# Altium PCB PCB2.PcbDoc (part 9 of 9)
Units mil, origin at the board's own origin, x right, y up, seen from the top; angles counter-clockwise.
Board outline 7580 x 7350 mil, 6 copper layers (Signal 1, Ground 1, 2V5 and 0V6, n2V5 and n0V6, Ground 2, Signal 2), stack 52.268 mil thick; 572 components, 533 nets, 2081 pads, 679 vias.
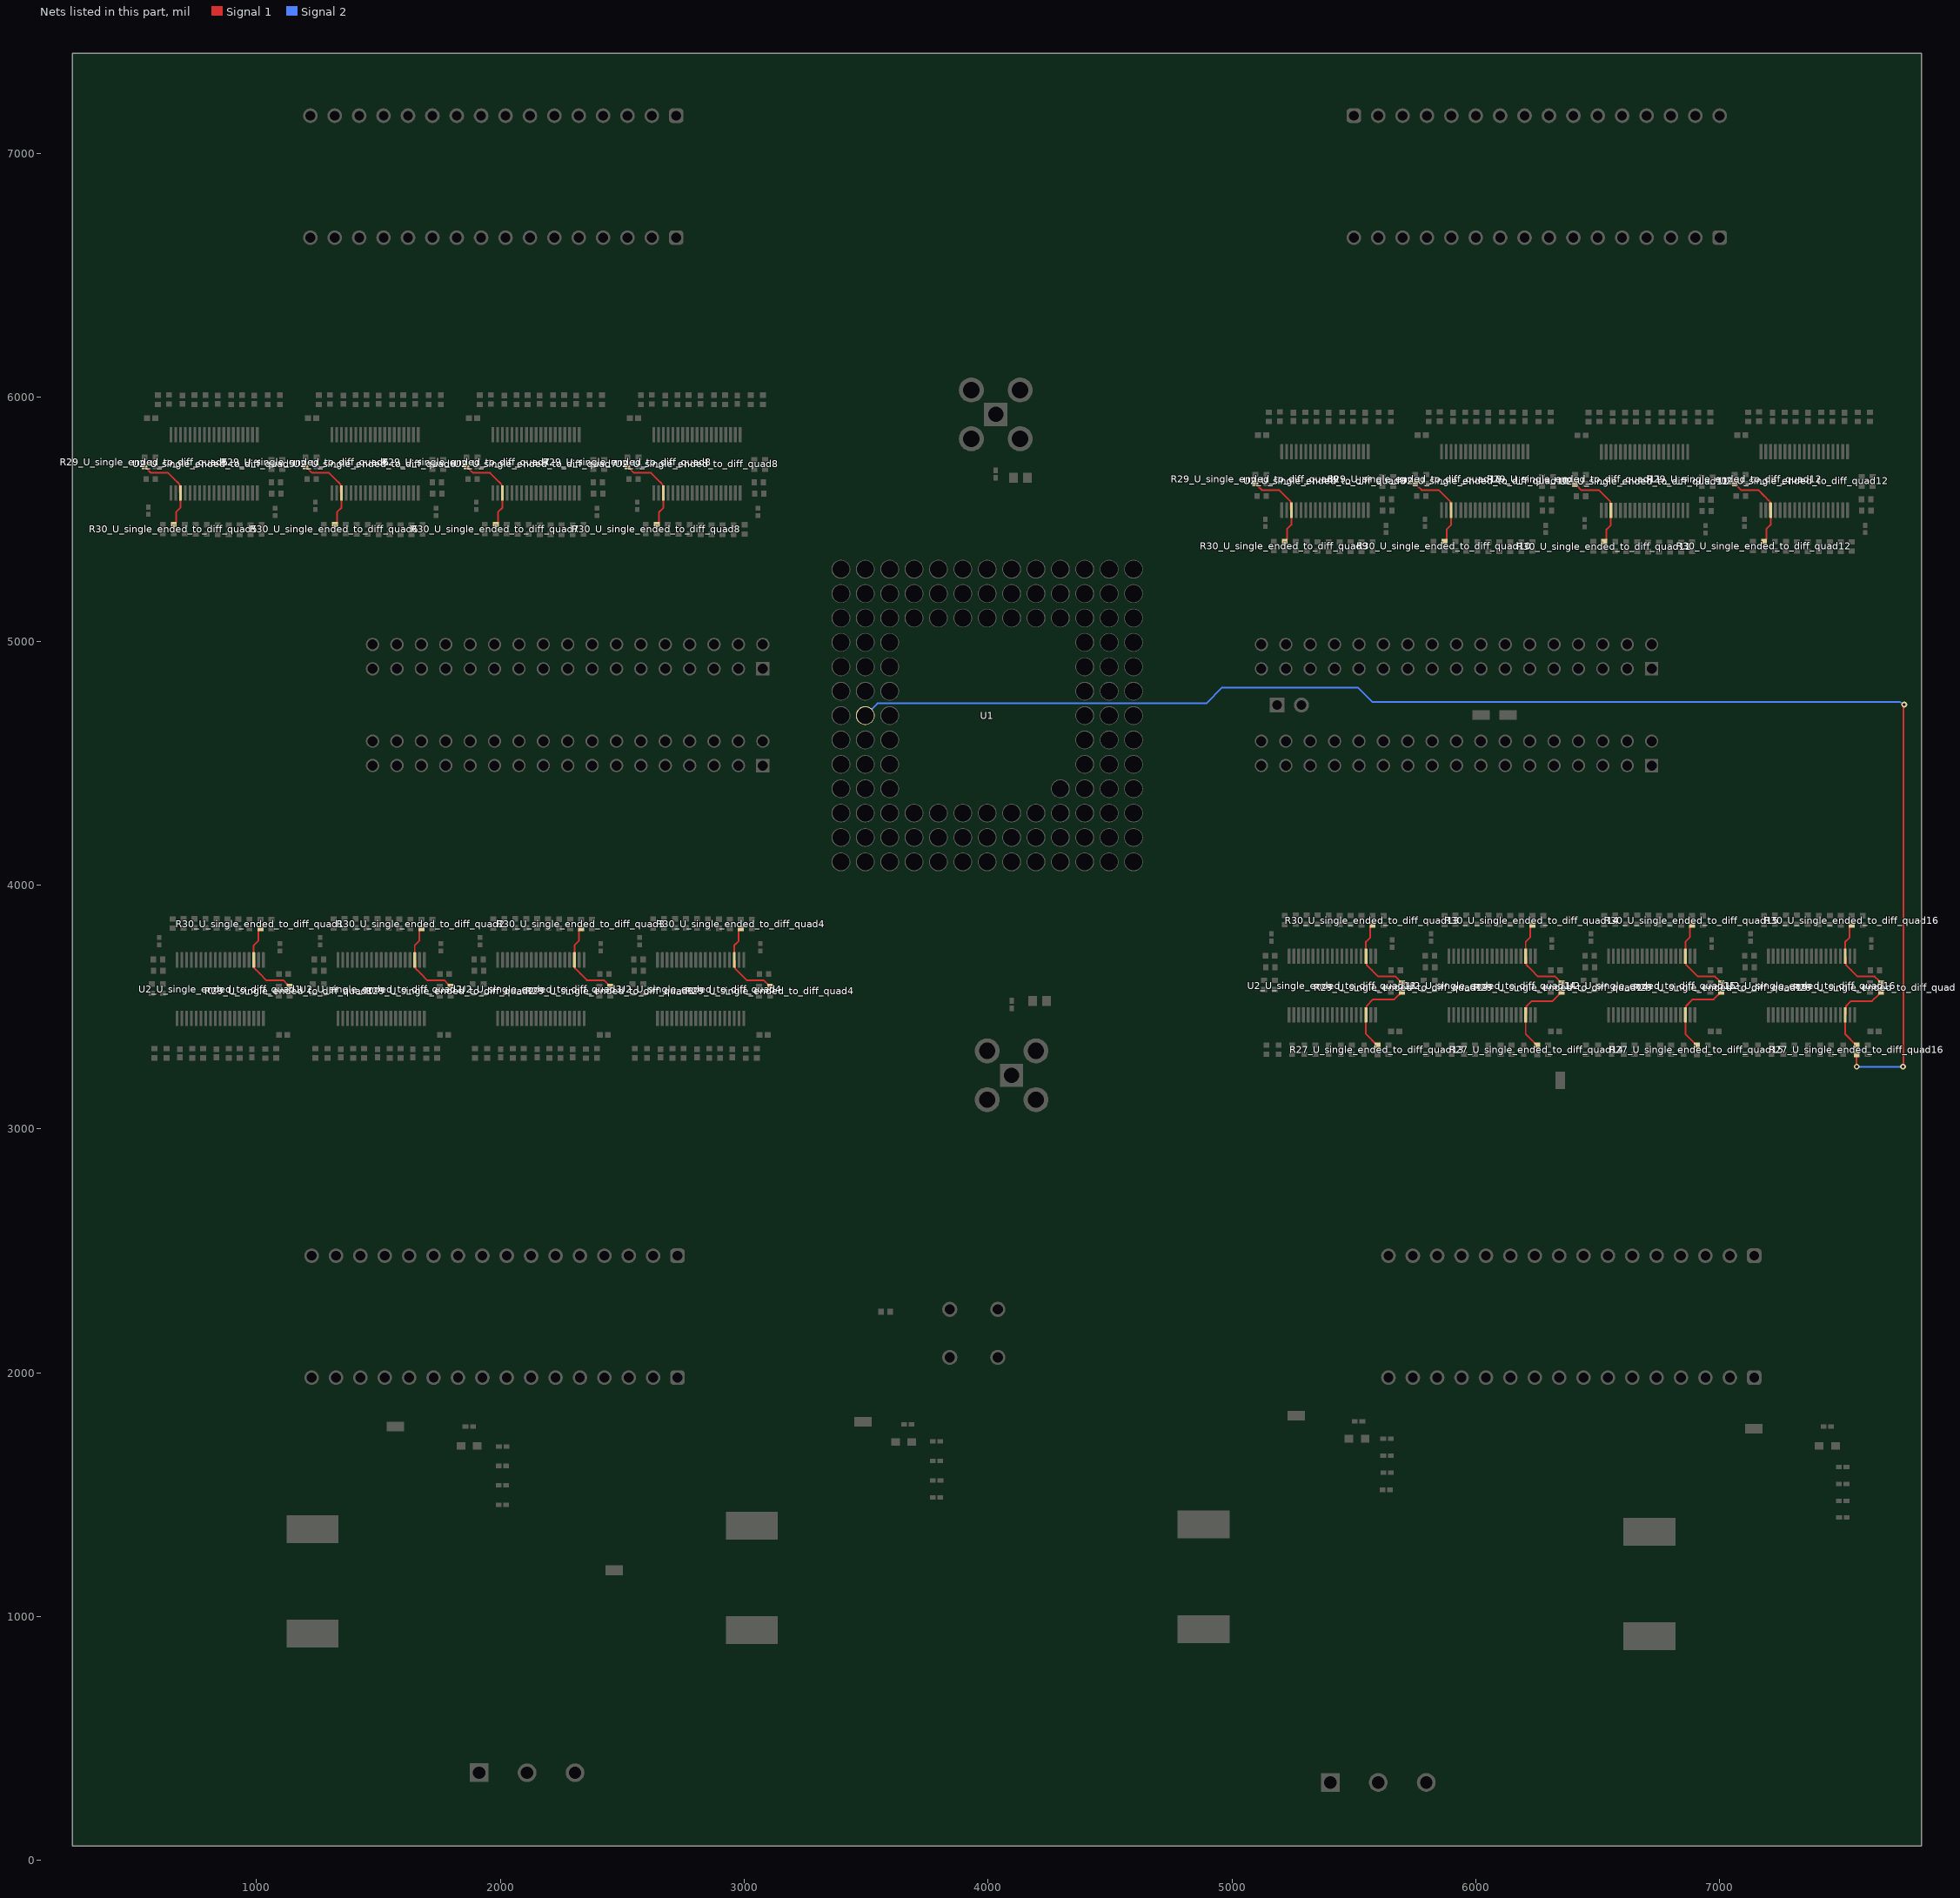
[diagram p13: the nets of this part, all layers, seen from the top]

## Via types
v1: diameter 24, hole 12, Signal 1 to Signal 2, tented both sides, 679 vias

## Nets (pads, with @x,y where several pads share a name; then routed paths per layer and width w, separated by ;. In a path a pad name is that pad's centre, name@x,y a point inside that pad or via, vN(x,y) a via of type N, cw(c..) or ccw(c..) an arc to the next point about the centre after c; other vN are vias at no path point) (continued)
NetR27_U_single_ended_to_diff_quad13_2: R27_U_single_ended_to_diff_quad13.2 R29_U_single_ended_to_diff_quad13.1 U2_U_single_ended_to_diff_quad13.17 | length 350.6
  Signal 1 w7: R27_U_single_ended_to_diff_quad13.2@5596.68,3342.95 5595.5,3342.95 5549.48,3388.97 U2_U_single_ended_to_diff_quad13.17@5549.48,3467.72 5551.76,3470 5551.76,3503.66 5579.31,3531.21 5665.61,3531.21 5695.5,3561.1 R29_U_single_ended_to_diff_quad13.1@5696.68,3561.1
NetR27_U_single_ended_to_diff_quad14_2: R27_U_single_ended_to_diff_quad14.2 R29_U_single_ended_to_diff_quad14.1 U2_U_single_ended_to_diff_quad14.17 | length 350.6
  Signal 1 w7: R27_U_single_ended_to_diff_quad14.2@6251.68,3342.95 6250.5,3342.95 6204.48,3388.97 U2_U_single_ended_to_diff_quad14.17@6204.48,3467.72 6207.26,3470.5 6207.26,3502.63 6212.94,3508.31 6212.94,3508.43 6228.73,3524.21 6258.97,3524.21 6259.1,3524.07 6314.66,3524.07 6342.48,3551.9 6342.48,3553.08 6350.5,3561.1 R29_U_single_ended_to_diff_quad14.1@6351.68,3561.1
NetR27_U_single_ended_to_diff_quad15_2: R27_U_single_ended_to_diff_quad15.2 R29_U_single_ended_to_diff_quad15.1 U2_U_single_ended_to_diff_quad15.17 | length 350.6
  Signal 1 w7: R27_U_single_ended_to_diff_quad15.2@6906.68,3342.95 6905.5,3342.95 6859.48,3388.97 U2_U_single_ended_to_diff_quad15.17@6859.48,3467.72 6861.76,3470 6861.76,3503.66 6889.31,3531.21 6975.61,3531.21 7005.5,3561.1 R29_U_single_ended_to_diff_quad15.1@7006.68,3561.1
NetR27_U_single_ended_to_diff_quad16_2: R27_U_single_ended_to_diff_quad16.2 R29_U_single_ended_to_diff_quad16.1 U2_U_single_ended_to_diff_quad16.17 | length 350.6
  Signal 1 w7: R27_U_single_ended_to_diff_quad16.2@7561.68,3342.95 7560.5,3342.95 7514.48,3388.97 U2_U_single_ended_to_diff_quad16.17@7514.48,3467.72 7517.26,3470.5 7517.26,3502.63 7522.94,3508.31 7522.94,3508.43 7538.73,3524.21 7568.97,3524.21 7569.1,3524.07 7624.66,3524.07 7652.48,3551.9 7652.48,3553.08 7660.5,3561.1 R29_U_single_ended_to_diff_quad16.1@7661.68,3561.1
NetR29_U_single_ended_to_diff_quad1_2: R29_U_single_ended_to_diff_quad1.2 R30_U_single_ended_to_diff_quad1.2 U2_U_single_ended_to_diff_quad1.22 | length 352.1
  Signal 1 w7: R30_U_single_ended_to_diff_quad1.2@1016.68,3821.1 1015.5,3821.1 1007.48,3813.08 1007.48,3770.8 989.48,3752.8 U2_U_single_ended_to_diff_quad1.22@989.48,3692.87 992.26,3690.09 992.26,3657.96 997.94,3652.28 997.94,3652.16 1013.73,3636.38 1013.84,3636.38 1040.22,3610 1110.58,3610 1127.48,3593.1 1127.48,3591.92 1135.5,3583.9 R29_U_single_ended_to_diff_quad1.2@1136.68,3583.9
NetR29_U_single_ended_to_diff_quad2_2: R29_U_single_ended_to_diff_quad2.2 R30_U_single_ended_to_diff_quad2.2 U2_U_single_ended_to_diff_quad2.22 | length 352.1
  Signal 1 w7: R30_U_single_ended_to_diff_quad2.2@1676.68,3821.1 1675.5,3821.1 1667.48,3813.08 1667.48,3770.8 1649.48,3752.8 U2_U_single_ended_to_diff_quad2.22@1649.48,3692.87 1652.26,3690.09 1652.26,3657.96 1657.94,3652.28 1657.94,3652.16 1673.73,3636.38 1673.84,3636.38 1700.22,3610 1770.58,3610 1787.48,3593.1 1787.48,3591.92 1795.5,3583.9 R29_U_single_ended_to_diff_quad2.2@1796.68,3583.9
NetR29_U_single_ended_to_diff_quad3_2: R29_U_single_ended_to_diff_quad3.2 R30_U_single_ended_to_diff_quad3.2 U2_U_single_ended_to_diff_quad3.22 | length 352.1
  Signal 1 w6: R30_U_single_ended_to_diff_quad3.2@2330.5,3821.1 R30_U_single_ended_to_diff_quad3.2@2331.68,3821.1
  Signal 1 w7: R30_U_single_ended_to_diff_quad3.2@2330.5,3821.1 2322.48,3813.08 2322.48,3770.8 2304.48,3752.8 U2_U_single_ended_to_diff_quad3.22@2304.48,3692.87 2307.26,3690.09 2307.26,3657.96 2312.94,3652.28 2312.94,3652.16 2328.73,3636.38 2328.84,3636.38 2355.22,3610 2425.58,3610 2442.48,3593.1 2442.48,3591.92 2450.5,3583.9 R29_U_single_ended_to_diff_quad3.2@2451.68,3583.9
NetR29_U_single_ended_to_diff_quad4_2: R29_U_single_ended_to_diff_quad4.2 R30_U_single_ended_to_diff_quad4.2 U2_U_single_ended_to_diff_quad4.22 | length 352.1
  Signal 1 w7: R30_U_single_ended_to_diff_quad4.2@2986.68,3821.1 2985.5,3821.1 2977.48,3813.08 2977.48,3770.8 2959.48,3752.8 U2_U_single_ended_to_diff_quad4.22@2959.48,3692.87 2962.26,3690.09 2962.26,3657.96 2967.94,3652.28 2967.94,3652.16 2983.73,3636.38 2983.84,3636.38 3010.22,3610 3080.58,3610 3097.48,3593.1 3097.48,3591.92 3105.5,3583.9 R29_U_single_ended_to_diff_quad4.2@3106.68,3583.9
NetR29_U_single_ended_to_diff_quad5_2: R29_U_single_ended_to_diff_quad5.2 R30_U_single_ended_to_diff_quad5.2 U2_U_single_ended_to_diff_quad5.22 | length 352.1
  Signal 1 w7: R29_U_single_ended_to_diff_quad5.2@541.68,5716.1 542.86,5716.1 550.89,5708.08 550.89,5706.9 567.78,5690 638.14,5690 664.52,5663.62 664.64,5663.62 680.42,5647.84 680.42,5647.72 686.11,5642.04 686.11,5609.91 U2_U_single_ended_to_diff_quad5.22@688.89,5607.13 688.89,5547.2 670.89,5529.2 670.89,5486.92 662.86,5478.9 R30_U_single_ended_to_diff_quad5.2@661.68,5478.9
NetR29_U_single_ended_to_diff_quad6_2: R29_U_single_ended_to_diff_quad6.2 R30_U_single_ended_to_diff_quad6.2 U2_U_single_ended_to_diff_quad6.22 | length 352.1
  Signal 1 w7: R29_U_single_ended_to_diff_quad6.2@1201.68,5716.1 1202.86,5716.1 1210.89,5708.08 1210.89,5706.9 1227.79,5690 1298.14,5690 1324.52,5663.62 1324.64,5663.62 1340.42,5647.84 1340.42,5647.72 1346.11,5642.04 1346.11,5609.91 U2_U_single_ended_to_diff_quad6.22@1348.89,5607.13 1348.89,5547.2 1330.89,5529.2 1330.89,5486.92 1322.86,5478.9 R30_U_single_ended_to_diff_quad6.2@1321.68,5478.9
NetR29_U_single_ended_to_diff_quad7_2: R29_U_single_ended_to_diff_quad7.2 R30_U_single_ended_to_diff_quad7.2 U2_U_single_ended_to_diff_quad7.22 | length 352.1
  Signal 1 w7: R29_U_single_ended_to_diff_quad7.2@1861.68,5716.1 1862.86,5716.1 1870.89,5708.08 1870.89,5706.9 1887.79,5690 1958.14,5690 1984.52,5663.62 1984.64,5663.62 2000.42,5647.84 2000.42,5647.72 2006.11,5642.04 2006.11,5609.91 U2_U_single_ended_to_diff_quad7.22@2008.89,5607.13 2008.89,5547.2 1990.89,5529.2 1990.89,5486.92 1982.86,5478.9 R30_U_single_ended_to_diff_quad7.2@1981.68,5478.9
NetR29_U_single_ended_to_diff_quad8_2: R29_U_single_ended_to_diff_quad8.2 R30_U_single_ended_to_diff_quad8.2 U2_U_single_ended_to_diff_quad8.22 | length 352.1
  Signal 1 w7: R29_U_single_ended_to_diff_quad8.2@2521.68,5716.1 2522.86,5716.1 2530.89,5708.08 2530.89,5706.9 2547.78,5690 2618.14,5690 2644.52,5663.62 2644.64,5663.62 2660.42,5647.84 2660.42,5647.72 2666.11,5642.04 2666.11,5609.91 U2_U_single_ended_to_diff_quad8.22@2668.89,5607.13 2668.89,5547.2 2650.89,5529.2 2650.89,5486.92 2642.86,5478.9 R30_U_single_ended_to_diff_quad8.2@2641.68,5478.9
NetR29_U_single_ended_to_diff_quad9_2: R29_U_single_ended_to_diff_quad9.2 R30_U_single_ended_to_diff_quad9.2 U2_U_single_ended_to_diff_quad9.22 | length 352.1
  Signal 1 w7: R29_U_single_ended_to_diff_quad9.2@5096.68,5646.1 5097.86,5646.1 5105.89,5638.08 5105.89,5636.9 5122.78,5620 5193.14,5620 5219.52,5593.62 5219.64,5593.62 5235.42,5577.84 5235.42,5577.72 5241.11,5572.04 5241.11,5539.91 U2_U_single_ended_to_diff_quad9.22@5243.89,5537.13 5243.89,5477.2 5225.89,5459.2 5225.89,5416.92 5217.86,5408.9 R30_U_single_ended_to_diff_quad9.2@5216.68,5408.9
NetR29_U_single_ended_to_diff_quad10_2: R29_U_single_ended_to_diff_quad10.2 R30_U_single_ended_to_diff_quad10.2 U2_U_single_ended_to_diff_quad10.22 | length 352.1
  Signal 1 w7: R29_U_single_ended_to_diff_quad10.2@5751.68,5646.1 5752.86,5646.1 5760.89,5638.08 5760.89,5636.9 5777.78,5620 5848.14,5620 5874.52,5593.62 5874.64,5593.62 5890.42,5577.84 5890.42,5577.72 5896.11,5572.04 5896.11,5539.91 U2_U_single_ended_to_diff_quad10.22@5898.89,5537.13 5898.89,5477.2 5880.89,5459.2 5880.89,5416.92 5872.86,5408.9 R30_U_single_ended_to_diff_quad10.2@5871.68,5408.9
NetR29_U_single_ended_to_diff_quad11_2: R29_U_single_ended_to_diff_quad11.2 R30_U_single_ended_to_diff_quad11.2 U2_U_single_ended_to_diff_quad11.22 | length 353.4
  Signal 1 w7: R29_U_single_ended_to_diff_quad11.2@6406.68,5645 6407.86,5645 6415.89,5636.98 6415.89,5635.8 6432.78,5618.9 6505.38,5618.9 6551.61,5572.67 6551.61,5538.3 U2_U_single_ended_to_diff_quad11.22@6553.89,5536.02 6553.89,5476.1 6535.89,5458.1 6535.89,5415.82 6527.86,5407.8 R30_U_single_ended_to_diff_quad11.2@6526.68,5407.8
NetR29_U_single_ended_to_diff_quad12_2: R29_U_single_ended_to_diff_quad12.2 R30_U_single_ended_to_diff_quad12.2 U2_U_single_ended_to_diff_quad12.22 | length 352.1
  Signal 1 w7: R29_U_single_ended_to_diff_quad12.2@7061.68,5646.1 7062.86,5646.1 7070.89,5638.08 7070.89,5636.9 7087.78,5620 7158.14,5620 7184.52,5593.62 7184.64,5593.62 7200.42,5577.84 7200.42,5577.72 7206.11,5572.04 7206.11,5539.91 U2_U_single_ended_to_diff_quad12.22@7208.89,5537.13 7208.89,5477.2 7190.89,5459.2 7190.89,5416.92 7182.86,5408.9 R30_U_single_ended_to_diff_quad12.2@7181.68,5408.9
NetR29_U_single_ended_to_diff_quad13_2: R29_U_single_ended_to_diff_quad13.2 R30_U_single_ended_to_diff_quad13.2 U2_U_single_ended_to_diff_quad13.22 | length 352.1
  Signal 1 w7: R30_U_single_ended_to_diff_quad13.2@5576.68,3836.1 5575.5,3836.1 5567.48,3828.08 5567.48,3785.8 5549.48,3767.8 U2_U_single_ended_to_diff_quad13.22@5549.48,3707.87 5552.26,3705.09 5552.26,3672.96 5557.94,3667.28 5557.94,3667.16 5573.73,3651.38 5573.84,3651.38 5600.22,3625 5670.58,3625 5687.48,3608.1 5687.48,3606.92 5695.5,3598.9 R29_U_single_ended_to_diff_quad13.2@5696.68,3598.9
NetR29_U_single_ended_to_diff_quad14_2: R29_U_single_ended_to_diff_quad14.2 R30_U_single_ended_to_diff_quad14.2 U2_U_single_ended_to_diff_quad14.22 | length 352.1
  Signal 1 w7: R30_U_single_ended_to_diff_quad14.2@6231.68,3836.1 6230.5,3836.1 6222.48,3828.08 6222.48,3785.8 6204.48,3767.8 U2_U_single_ended_to_diff_quad14.22@6204.48,3707.87 6207.26,3705.09 6207.26,3672.96 6212.94,3667.28 6212.94,3667.16 6228.73,3651.38 6228.84,3651.38 6255.22,3625 6325.58,3625 6342.48,3608.1 6342.48,3606.92 6350.5,3598.9 R29_U_single_ended_to_diff_quad14.2@6351.68,3598.9
NetR29_U_single_ended_to_diff_quad15_2: R29_U_single_ended_to_diff_quad15.2 R30_U_single_ended_to_diff_quad15.2 U2_U_single_ended_to_diff_quad15.22 | length 352.1
  Signal 1 w7: R30_U_single_ended_to_diff_quad15.2@6886.68,3836.1 6885.5,3836.1 6877.48,3828.08 6877.48,3785.8 6859.48,3767.8 U2_U_single_ended_to_diff_quad15.22@6859.48,3707.87 6862.26,3705.09 6862.26,3672.96 6867.94,3667.28 6867.94,3667.16 6883.73,3651.38 6883.84,3651.38 6910.22,3625 6980.58,3625 6997.48,3608.1 6997.48,3606.92 7005.5,3598.9 R29_U_single_ended_to_diff_quad15.2@7006.68,3598.9
NetR29_U_single_ended_to_diff_quad16_2: R29_U_single_ended_to_diff_quad16.2 R30_U_single_ended_to_diff_quad16.2 U2_U_single_ended_to_diff_quad16.22 | length 352.1
  Signal 1 w7: R30_U_single_ended_to_diff_quad16.2@7541.68,3836.1 7540.5,3836.1 7532.48,3828.08 7532.48,3785.8 7514.48,3767.8 U2_U_single_ended_to_diff_quad16.22@7514.48,3707.87 7517.26,3705.09 7517.26,3672.96 7522.94,3667.28 7522.94,3667.16 7538.73,3651.38 7538.84,3651.38 7565.22,3625 7635.58,3625 7652.48,3608.1 7652.48,3606.92 7660.5,3598.9 R29_U_single_ended_to_diff_quad16.2@7661.68,3598.9
SE_IN0: R27_U_single_ended_to_diff_quad16.1 U1.M7 | length 6062.6
  Signal 1 w7: v1(7561.68,3255) R27_U_single_ended_to_diff_quad16.1@7561.68,3305.15 ; v1(7751.68,3255) 7754.18,3257.5 7754.18,4737.5 v1(7756.68,4740)
  Signal 2 w7: U1.M7@3496.68,4695 3546.68,4745 4895,4745 4960,4810 5516,4810 5576,4750 7739.08,4750 v1@7753.39,4743.27 ; v1(7561.68,3255) v1(7751.68,3255) ; v1@7753.43,4743.25 v1(7756.68,4740)
pads on no net: U1.C9 U1.D4 U1.L9 U1.M3 U1.M4 U1.M10 U1.N3 U1.N10 U1.N11 U2_U_single_ended_to_diff_quad1.1 U2_U_single_ended_to_diff_quad1.6 U2_U_single_ended_to_diff_quad1.11 U2_U_single_ended_to_diff_quad1.16 U2_U_single_ended_to_diff_quad2.1 U2_U_single_ended_to_diff_quad2.6 U2_U_single_ended_to_diff_quad2.11 U2_U_single_ended_to_diff_quad2.16 U2_U_single_ended_to_diff_quad3.1 U2_U_single_ended_to_diff_quad3.6 U2_U_single_ended_to_diff_quad3.11 U2_U_single_ended_to_diff_quad3.16 U2_U_single_ended_to_diff_quad4.1 U2_U_single_ended_to_diff_quad4.6 U2_U_single_ended_to_diff_quad4.11 U2_U_single_ended_to_diff_quad4.16 U2_U_single_ended_to_diff_quad5.1 U2_U_single_ended_to_diff_quad5.6 U2_U_single_ended_to_diff_quad5.11 U2_U_single_ended_to_diff_quad5.16 U2_U_single_ended_to_diff_quad6.1 U2_U_single_ended_to_diff_quad6.6 U2_U_single_ended_to_diff_quad6.11 U2_U_single_ended_to_diff_quad6.16 U2_U_single_ended_to_diff_quad7.1 U2_U_single_ended_to_diff_quad7.6 U2_U_single_ended_to_diff_quad7.11 U2_U_single_ended_to_diff_quad7.16 U2_U_single_ended_to_diff_quad8.1 U2_U_single_ended_to_diff_quad8.6 U2_U_single_ended_to_diff_quad8.11 U2_U_single_ended_to_diff_quad8.16 U2_U_single_ended_to_diff_quad9.1 U2_U_single_ended_to_diff_quad9.6 U2_U_single_ended_to_diff_quad9.11 U2_U_single_ended_to_diff_quad9.16 U2_U_single_ended_to_diff_quad10.1 U2_U_single_ended_to_diff_quad10.6 U2_U_single_ended_to_diff_quad10.11 U2_U_single_ended_to_diff_quad10.16 U2_U_single_ended_to_diff_quad11.1 U2_U_single_ended_to_diff_quad11.6 U2_U_single_ended_to_diff_quad11.11 U2_U_single_ended_to_diff_quad11.16 U2_U_single_ended_to_diff_quad12.1 U2_U_single_ended_to_diff_quad12.6 U2_U_single_ended_to_diff_quad12.11 U2_U_single_ended_to_diff_quad12.16 U2_U_single_ended_to_diff_quad13.1 U2_U_single_ended_to_diff_quad13.6 U2_U_single_ended_to_diff_quad13.11 U2_U_single_ended_to_diff_quad13.16 U2_U_single_ended_to_diff_quad14.1 U2_U_single_ended_to_diff_quad14.6 U2_U_single_ended_to_diff_quad14.11 U2_U_single_ended_to_diff_quad14.16 U2_U_single_ended_to_diff_quad15.1 U2_U_single_ended_to_diff_quad15.6 U2_U_single_ended_to_diff_quad15.11 U2_U_single_ended_to_diff_quad15.16 U2_U_single_ended_to_diff_quad16.1 U2_U_single_ended_to_diff_quad16.6 U2_U_single_ended_to_diff_quad16.11 U2_U_single_ended_to_diff_quad16.16

## Polygon pours and split planes (outlines as drawn)
GND on Ground 1 (split plane): 7806.59,80.1 266.78,80.1 266.78,7389.9 7806.59,7389.9
0V6 on 2V5 and 0V6 (split plane): 4664.9,3995.1 4412,3995.1 4410.05,3994.71 4408.4,3993.6 4407.29,3991.95 4406.9,3990 4406.9,1497.1 878.1,1497.1 878.1,2165.9 3305,2165.9 3306.95,2166.29 3308.6,2167.4 3309.71,2169.05 3310.1,2171 3310.1,5564.9 4664.9,5564.9
2V5 on 2V5 and 0V6 (split plane): 7806.59,80.1 266.78,80.1 266.78,7389.9 7806.59,7389.9
n0V6 on n2V5 and n0V6 (split plane): 4989.9,4810 4990.29,4808.05 4991.4,4806.4 4993.05,4805.29 4995,4804.9 5468.89,4804.9 5473.9,4799.89 5473.9,4664.1 5038,4664.1 5036.05,4663.71 5034.4,4662.6 5033.29,4660.95 5032.9,4659 5032.9,4037.1 4413,4037.1 4411.05,4036.71 4409.4,4035.6 4408.29,4033.95 4407.9,4032 4408.29,4030.05 4408.9,4029.13 4408.9,3995 4408.9,1504.1 2697.1,1504.1 2697.1,2170.9 3264,2170.9 3265.95,2171.29 3267.6,2172.4 3268.71,2174.05 3269.1,2176 3269.1,5572.9 4989.9,5572.9
n2V5 on n2V5 and n0V6 (split plane): 7806.59,80.1 266.78,80.1 266.78,7389.9 7806.59,7389.9
GND on Ground 2 (split plane): 7806.59,80.1 266.78,80.1 266.78,7389.9 7806.59,7389.9

## Other copper
2V5 and 0V6 (plane layer: these items are gaps in the copper):
  lines w10: 873,2171 873,1492 4412,1492 4412,3990 4670,3990 4670,5570 3305,5570 3305,2171 876,2171
n2V5 and n0V6 (plane layer: these items are gaps in the copper):
  lines w10: 4413,4032 5038,4032 ; 4414,4031 4414,3995 4414,1499 2692,1499 2692,2176 3264,2176 3264,5578 4673,5578 4995,5578 4995,4810 5471,4810 5479,4802 5479,4659 5038,4659 5038,4030

## Silkscreen, mask and mechanical layers (free items; w line width, h text height)
Top Overlay:
  text "2V5" at 5183,1888 h60
  text "n0V6" at 3385,1870 h60
  text "0V6" at 1504,1843 h60
  text "n2V5" at 7029,1837 h60
  text "GND" at 2391.76,1254.96 h60
  text "Yang Research Group" at 3417,639.99 h60
  text "Sample and Hold Test PCB" at 3287,520.99 h60
  text "Rev. 2" at 3797,413 h60

## Text inside footprints (layer, text, board x,y; h text height)
U1: Top Overlay "S/H SOCKET" at 4706.68,5085 h60 r270